# Altium PCB SoDeRa-PCIe_1v0.PcbDoc (part 6 of 8)
Units mm, origin at the board's own origin, x right, y up, seen from the top; angles counter-clockwise.
Board outline 136.85 x 68.9 mm, 12 copper layers (Top, L2, L3, L4, L5, L6, L7, L8, L9, L10, L11, Bottom), stack 1.638 mm thick; 750 components, 495 nets, 3617 pads, 1756 vias.
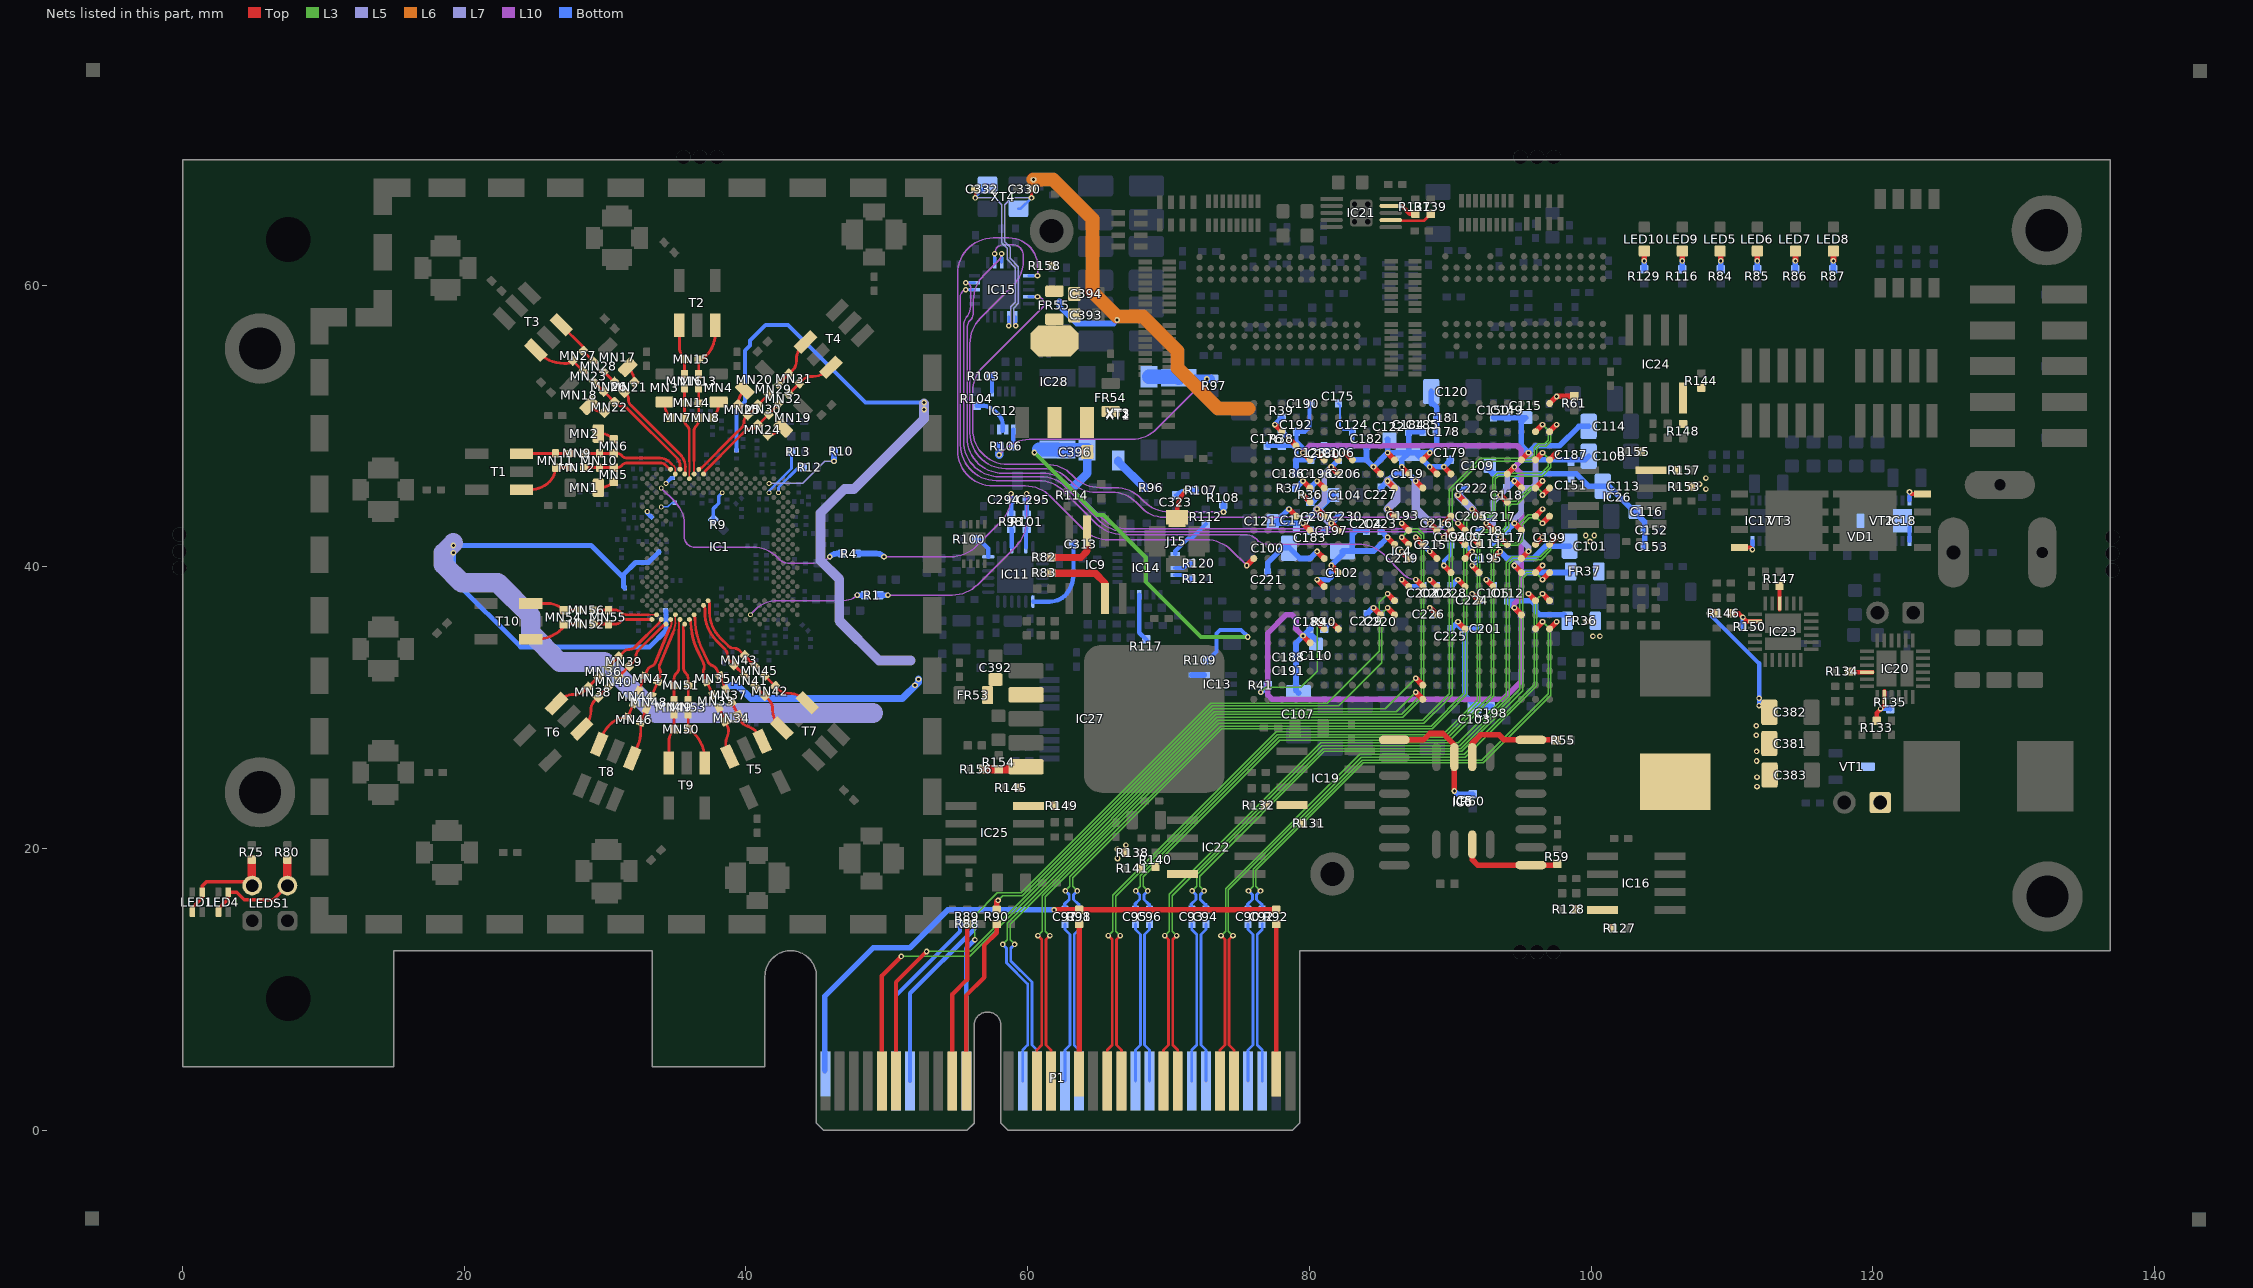
[diagram p16: the nets of this part, all layers, seen from the top]

## Via types
v1: diameter 0.4, hole 0.2, Top to Bottom, tented both sides, 1521 vias
v2: diameter 0.4, hole 0.2, Top to Bottom, tented top, 129 vias
v3: diameter 0.35, hole 0.2, Top to Bottom, tented top, 86 vias
v4: diameter 0.5, hole 0.2, Top to Bottom, tented both sides, 20 vias

## Nets (pads, with @x,y where several pads share a name; then routed paths per layer and width w, separated by ;. In a path a pad name is that pad's centre, name@x,y a point inside that pad or via, vN(x,y) a via of type N, cw(c..) or ccw(c..) an arc to the next point about the centre after c; other vN are vias at no path point) (continued)
NetC392_2: C392.2 FR53.2 IC27.2
NetC393_2: C393.2 FR55.1 IC28.2
NetC394_2: C394.2 FR55.2 R158.2
NetC396_2: C396.2 FR54.2 IC28.3
NetFR43_1: FR43.1 IC13.6 | length 0.9
  Bottom w0.4: FR43.1@71.651,32.325 IC13.6@72.525,32.325
NetIC1_AM24: IC1.AM24 R1.1 | length 8.6
  L10 w0.1: v3(40.313,36.604) 40.662,36.953 cw(c42.25,35.366) 42.25,37.611 46.96,37.611 ccw(c46.96,38.94) v1(47.9,38)
  Bottom w0.4: v1(47.9,38) R1.1@48.475,38
NetIC1_D6: IC1.D6 R26.2 | length 0.6
  Bottom w0.25: v3(34.319,45.928) 34.703,46.311 R26.2@34.799,46.311
NetIC1_D28: IC1.D28 R10.1 | length 6
  L5 w0.1: v3(41.645,45.928) 44.028,45.928 45.6,47.5 v1(46.25,47.5)
  Bottom w0.4: v1(46.25,47.5) R10.1@46.25,48.225
NetIC1_E5: IC1.E5 R4.1 | length 16.2
  L10 w0.1: v3(33.986,45.595) 34.967,44.614 cw(c33.378,43.025) 35.625,43.025 35.625,42.15 ccw(c36.375,42.15) 36.375,41.4 40.473,41.4 cw(c40.473,38.86) 42.269,40.656 42.438,40.487 ccw(c42.95,40.998) 42.95,40.275 44.863,40.275 ccw(c44.863,41.812) v1(45.95,40.725)
  Bottom w0.4: v1(45.95,40.725) cw(c46.493,40.182) 46.493,40.95 R4.1@46.85,40.95
NetIC1_F18: IC1.F18 R9.1 | length 2.2
  Bottom w0.25: R9.1@37.745,43.36 37.694,43.411 37.694,44.144 38.077,44.527 38.077,45.023 v3(38.315,45.262)
NetIC1_F28: IC1.F28 R13.1 | length 3.6
  Bottom w0.2: v3(41.645,45.262) 41.645,45.397 43.225,46.977 R13.1@43.225,48.175
NetIC1_F30: IC1.F30 R12.1 | length 2.7
  Bottom w0.2: v3(42.311,45.262) 42.311,45.639 43.747,47.075 R12.1@44.025,47.075
NetIC1_J5: IC1.J5 R28.1 | length 1.1
  Bottom w0.11: v3(33.986,44.263) 34.453,44.263 34.746,44.556 R28.1@34.969,44.556
NetIC1_K2: IC1.K2 R31.1 | length 0.5
  Bottom w0.3: v3(32.987,43.93) 32.987,43.822 R31.1@33.251,43.558 ; R31.1@33.276,43.533 R31.1@33.251,43.558 ; R31.1@33.276,43.558 R31.1@33.251,43.558
NetIC4_AB1: IC4.AB1 R61.1 | length 2
  Top w0.4: IC4.AB1@97.05,51.6 v1(97.55,52.1) 97.575,52.125 R61.1@98.8,52.125
NetIC4_F16: IC4.F16 R40.1 | length 1.4
  Top w0.4: v1(81.55,36.1) IC4.F16@82.05,35.6
  Bottom w0.3: R40.1@81.05,35.6 v1(81.55,36.1)
NetIC4_F17: IC4.F17 R41.2 | length 9.5
  Top w0.4: v1(80.55,36.1) IC4.F17@81.05,35.6
  L3 w0.1: v1(76.55,31.1) 76.9,31.45 79.395,31.45 80.55,32.605 v1(80.55,36.1)
  Bottom w0.4: v1(76.55,31.1) R41.2@77.05,31.6
NetIC4_T17: IC4.T17 R36.1 | length 1.4
  Top w0.4: v1(80.55,46.1) IC4.T17@81.05,45.6
  Bottom w0.4: R36.1@80.075,45.625 v1(80.55,46.1)
NetIC4_T18: IC4.T18 R37.2 | length 1.4
  Top w0.4: v1(79.55,46.1) IC4.T18@80.05,45.6
  Bottom w0.4: R37.2@79.05,45.6 v1(79.55,46.1)
NetIC4_W19: IC4.W19 R38.1 | length 1.4
  Top w0.4: v1(78.55,49.1) IC4.W19@79.05,48.6
  Bottom w0.4: R38.1@78.05,49.6 v1(78.55,49.1)
NetIC4_Y20: IC4.Y20 R39.2 | length 1.4
  Top w0.4: v1(77.55,50.1) IC4.Y20@78.05,49.6
  Bottom w0.4: v1(77.55,50.1) R39.2@78.05,50.6
NetIC5_2: IC5.2 IC6.8 R55.1 | length 8.1
  Top w0.4: IC5.2@91.56,25.75 IC5.2@91.56,26.5 91.56,27.485 92.15,28.075 93.475,28.075 93.83,27.72 IC6.8@95.725,27.72 97.515,27.72 R55.1@97.535,27.7
NetIC5_3: IC5.3 IC6.9 R60.2 | length 9.5
  Top w0.4: IC6.9@86.025,27.72 88.095,27.72 88.55,28.175 89.475,28.175 90.29,27.36 IC5.3@90.29,26.5 v1(90.29,24.09)
  Bottom w0.4: v1(90.29,24.09) 90.53,23.85 R60.2@91.6,23.85
NetIC5_7: IC5.7 IC6.1 R59.2 | length 8
  Top w0.4: IC5.7@91.56,20.95 91.56,19.215 91.945,18.83 IC6.1@95.725,18.83 97.505,18.83 R59.2@97.6,18.925
NetIC9_3: IC9.3 R83.2 | length 5.2
  Top w0.5: R83.2@61.675,39.575 61.675,39.55 64.8,39.55 65.485,38.865 IC9.3@65.485,37.75
NetIC9_7: IC9.7 R82.2 | length 4.2
  Top w0.5: R82.2@61.675,40.675 63.775,40.675 64.215,41.115 IC9.7@64.215,42.55
NetIC11_3: IC11.3 R98.2 | length 1.3
  Bottom w0.3: R98.2@58.825,42.712 58.875,42.662 IC11.3@58.875,41.387
NetIC11_5: IC11.5 R101.2 | length 1.3
  Bottom w0.3: IC11.5@59.875,41.387 59.875,42.662 R101.2@59.925,42.712
NetIC11_24: IC11.24 R100.2 | length 1.7
  Bottom w0.3: R100.2@56.35,41.95 56.55,41.95 57.2,41.3 IC11.24@57.2,40.712
NetIC12_1: IC12.1 R106.1 | length 1.2
  Bottom w0.309: R106.1@58.975,48.575 IC12.1@58.975,49.75
NetIC12_2: IC12.2 IC12.3 R104.2 | length 3
  Bottom w0.309: R104.2@56.375,51.45 56.75,51.45 cw(c56.75,50.183) 57.646,51.079 57.95,50.775 ; 57.95,50.775 cw(c57.286,50.111) 58.225,50.111 58.225,49.65
NetIC12_5: IC12.5 R103.2 | length 1.1
  Bottom w0.3: R103.2@57.375,53.55 57.475,53.45 IC12.5@57.475,52.45
NetIC14_11: IC14.11 R112.1 | length 3.2
  Bottom w0.3: IC14.11@70.475,40.925 70.475,41.125 71.375,42.025 71.625,42.025 R112.1@72.65,43.05
NetIC14_13: IC14.13 R120.2 | length 1.3
  Bottom w0.3: IC14.13@70.475,39.925 71.05,39.925 71.375,40.25 R120.2@71.65,40.25
NetIC14_14: IC14.14 R121.2 | length 1.3
  Bottom w0.3: IC14.14@70.475,39.425 71.025,39.425 71.3,39.15 R121.2@71.65,39.15
NetIC14_19: IC14.19 R117.1 | length 3.4
  Bottom w0.3: IC14.19@67.925,38.025 67.925,35.325 R117.1@68.45,34.8
NetIC16_4: IC16.4 R127.2 R128.2
NetIC17_3: IC17.3 VT3.4 | length 1.6
  Top w0.3: VT3.4@110.53,41.37 111.305,41.37 v1(111.45,41.225)
  Bottom w0.3: v1(111.45,41.225) IC17.3@111.45,41.84
NetIC18_3: IC18.3 VT2.4 | length 1.6
  Top w0.3: v1(122.6,45.325) 122.745,45.18 VT2.4@123.52,45.18
  Bottom w0.3: IC18.3@122.6,44.71 v1(122.6,45.325)
NetIC18_4: IC18.4 IC18.7 VD1.3 | length 0.9
  Bottom w0.3: IC18.4@122.6,41.84 IC18.7@122.6,42.775
NetIC19_4: IC19.4 R131.2 R132.2
NetIC20_2: IC20.2 R133.2 R135.2 | length 3
  Top w0.309: R133.2@120.274,29.076 120.274,29.626 120.824,30.176 IC20.2@120.824,30.776 IC20.2@120.824,31.176
  Bottom w0.309: v1(120.549,29.926) 121.199,29.926 R135.2@121.224,29.901
NetIC20_22: IC20.22 R134.1 | length 1.6
  Top w0.309: R134.1@118.374,32.526 IC20.22@119.974,32.526
NetIC21_7: IC21.7 R139.2 | length 3.1
  Top w0.2: IC21.7@85.775,64.625 85.775,64.575 88.125,64.575 R139.2@88.625,65.075
NetIC21_9: IC21.9 R137.2 | length 2
  Top w0.3: IC21.9@85.775,65.625 86.575,65.625 87.125,65.075 R137.2@87.525,65.075
NetIC22_4: IC22.4 R140.2 R141.1
NetIC23_2: IC23.2 R146.2 R150.1 | length 3
  Top w0.309: R146.2@109.925,36.7 110.475,36.7 111.025,36.15 IC23.2@111.625,36.15 IC23.2@112.025,36.15
  Bottom w0.309: R150.1@110.75,35.75 110.775,35.775 v1(110.775,36.425)
NetIC23_22: IC23.22 R147.1 | length 1.6
  Top w0.309: IC23.22@113.375,37 R147.1@113.375,38.6
NetIC24_4: IC24.4 R144.2 R148.2
NetIC25_4: IC25.4 R145.2 R149.2
NetIC26_4: IC26.4 R155.2 R157.2
NetIC27_5: IC27.5 R154.2 R156.1 | length 2.9
  Top w0.6: R156.1@56.85,25.625 R154.2@57.95,25.625 IC27.5@59.706,25.625
NetJ14_1: J14.1 VT1.D
NetLED1_1: LED1.1 LED1.4 LEDS1.A1 R75.2 | length 7.7
  Top w0.25: LED1.4@0.7,15.5 0.7,15.8 1.4,16.5 LED1.1@1.4,16.9 1.4,17.35 1.7,17.65 4.675,17.65 LEDS1.A1@4.925,17.4
  Top w0.6: LEDS1.A1@4.925,17.4 R75.2@4.925,19.225
NetLED4_1: LED4.1 LED4.4 LEDS1.A2 R80.2 | length 8.4
  Top w0.25: LED4.4@2.55,15.5 2.55,15.725 3.25,16.425 LED4.1@3.25,16.9 3.85,16.9 4.375,16.375 6.45,16.375 LEDS1.A2@7.45,17.375
  Top w0.6: LEDS1.A2@7.45,17.375 R80.2@7.45,19.225
NetLED5_A: LED5.A R84.2 | length 1.3
  Top w0.4: v1(109.2,61.725) 109.205,61.73 LED5.A@109.205,62.425
  Bottom w0.4: R84.2@109.2,61.125 v1(109.2,61.725)
NetLED6_A: LED6.A R85.2 | length 1.3
  Top w0.4: v1(111.795,61.725) 111.8,61.73 LED6.A@111.8,62.425
  Bottom w0.4: R85.2@111.795,61.125 v1(111.795,61.725)
NetLED7_A: LED7.A R86.2 | length 1.3
  Top w0.4: v1(114.5,61.725) 114.505,61.73 LED7.A@114.505,62.425
  Bottom w0.4: R86.2@114.5,61.125 v1(114.5,61.725)
NetLED8_A: LED8.A R87.2 | length 1.3
  Top w0.4: v1(117.2,61.725) 117.205,61.73 LED8.A@117.205,62.425
  Bottom w0.4: R87.2@117.2,61.125 v1(117.2,61.725)
NetLED9_A: LED9.A R116.1 | length 1.3
  Top w0.4: v1(106.47,61.725) 106.475,61.73 LED9.A@106.475,62.425
  Bottom w0.4: R116.1@106.47,61.125 v1(106.47,61.725)
NetLED10_A: LED10.A R129.1 | length 1.3
  Top w0.4: v1(103.77,61.725) 103.775,61.73 LED10.A@103.775,62.425
  Bottom w0.4: R129.1@103.77,61.125 v1(103.77,61.725)
NetMN1_1: MN1.1 MN5.2 | length 1.2
  Top w0.2: MN1.1@29.52,45.628 29.605,45.628 ccw(c29.605,47.077) MN5.2@30.63,46.052
NetMN2_1: MN2.1 MN6.2 | length 1.2
  Top w0.2: MN2.1@29.519,49.473 29.614,49.473 cw(c29.614,48.037) MN6.2@30.63,49.052
NetMN3_1: MN3.1 MN7.2 | length 1.2
  Top w0.2: MN3.1@34.22,51.701 34.22,51.616 ccw(c35.669,51.616) MN7.2@34.645,50.591
NetMN4_1: MN4.1 MN8.2 | length 1.2
  Top w0.2: MN8.2@37.644,50.591 ccw(c36.629,51.606) 38.065,51.606 MN4.1@38.065,51.701
NetMN17_1: MN17.1 MN21.2 | length 1.2
  Top w0.2: MN17.1@31.595,54.192 31.662,54.125 cw(c30.647,53.109) MN21.2@32.083,53.109
NetMN18_1: MN18.1 MN22.2 | length 1.2
  Top w0.2: MN18.1@28.876,51.473 28.936,51.413 ccw(c29.961,52.438) MN22.2@29.961,50.988
NetMN19_1: MN19.1 MN24.2 | length 1.2
  Top w0.2: MN24.2@41.554,49.376 ccw(c41.554,50.812) 42.569,49.797 MN19.1@42.636,49.864
NetMN20_1: MN20.1 MN25.2 | length 1.2
  Top w0.2: MN25.2@39.433,51.498 cw(c40.882,51.498) 39.857,52.523 MN20.1@39.917,52.582
NetP1_A6: P1.A6 R88.2 | length 13
  Bottom w0.309: P1.A6@50.65,3.5 50.65,9.575 55.2,14.125 R88.2@55.2,14.65
NetP1_A7: P1.A7 R88.1 | length 13
  Bottom w0.309: P1.A7@51.65,3.5 51.65,9.725 56.2,14.275 R88.1@56.2,14.65
NetP1_B10: P1.B10 R89.2 | length 11.6
  Top w0.309: P1.B10@54.65,3.5 54.65,9.65 55.7,10.7 R89.2@55.7,14.65
NetP1_B11: P1.B11 R90.2 | length 12
  Top w0.309: P1.B11@55.65,3.5 55.65,9.6 56.925,10.875 56.925,13.15 57.8,14.025 R90.2@57.8,14.65
NetR96_1: R96.1 XT1.6 | length 2.7
  Bottom w0.6: XT1.6@66.425,47.55 66.425,47.475 R96.1@68.275,45.625
NetR97_2: R97.2 R106.2 XT1.4 XT2.3 XT3.3 | length 21.8
  L10 w0.1: v1(57.975,47.95) 58.331,48.306 cw(c60.127,46.51) 60.127,49.05 67.373,49.05 ccw(c67.373,51.59) 69.169,49.794 v1(72.725,53.35)
  Bottom w0.6: v1(57.975,47.95) R106.2@57.975,48.575 ; XT2.3@70.725,53.35 R97.2@73,53.35
  Bottom w1: XT1.4@68.625,53.5 70.65,53.5 XT2.3@70.725,53.425
PCIE_HSI0_IC_N: C98.1 IC4.V1 | length 59.2
  Top w0.4: IC4.V1@97.05,47.6 v1(97.55,48.1)
  L3 w0.1: v1(63.525,17) 63.2,17.325 63.2,17.926 73.774,28.5 88.733,28.5 91.175,30.942 91.175,43.266 91.417,43.509 92.834,43.509 93.2,43.875 93.2,46.245 93.405,46.45 96.533,46.45 97.15,47.067 97.15,47.7 v1(97.55,48.1)
  Bottom w0.2: v1(63.525,17) 63.25,16.725 63.25,16.4 63.6,16.05 ; C98.1@63.65,15.65 63.65,16.05
PCIE_HSI0_IC_P: C97.1 IC4.V2 | length 59.2
  Top w0.4: IC4.V2@96.05,47.6 v1(96.55,48.1)
  L3 w0.1: v1(62.675,17) 63,17.325 63,18.009 73.691,28.7 88.65,28.7 90.975,31.025 90.975,43.349 91.334,43.709 91.5,43.709 92.751,43.709 93,43.958 93,46.328 93.322,46.65 96.45,46.65 96.95,47.15 96.95,47.7 v1(96.55,48.1)
  Bottom w0.2: 62.6,16.05 62.95,16.4 62.95,16.725 v1(62.675,17) ; C97.1@62.65,15.65 62.65,16.05
PCIE_HSI0_N: C98.2 P1.A17 | length 11.4
  Bottom w0.2: P1.A17@63.65,3.5 63.65,5.7 63.3,6.05 63.3,9.625 63.3,13.9 63.65,14.25 C98.2@63.65,14.65
PCIE_HSI0_P: C97.2 P1.A16 | length 11.4
  Bottom w0.2: P1.A16@62.65,3.5 62.65,5.7 63,6.05 63,9.749 63,13.9 62.65,14.25 C97.2@62.65,14.65
PCIE_HSI1_IC_N: C96.1 IC4.P1 | length 49.2
  Top w0.4: v1(96.55,43.1) IC4.P1@97.05,43.6
  L3 w0.1: v1(68.525,17) 68.2,17.325 68.2,18.001 77.899,27.7 89.958,27.7 92.808,30.55 93.1,30.842 93.1,41.145 93.48,41.525 94.808,41.525 95.125,41.842 95.125,43 95.625,43.5 96.15,43.5 v1(96.55,43.1)
  Bottom w0.2: v1(68.525,17) 68.25,16.725 68.25,16.4 68.6,16.05 ; C96.1@68.65,15.65 68.65,16.05
PCIE_HSI1_IC_P: C95.1 IC4.P2 | length 49.6
  Top w0.4: IC4.P2@96.05,43.6 v1(96.55,44.1)
  L3 w0.1: v1(67.675,17) 68,17.325 68,18.084 77.816,27.9 89.875,27.9 92.9,30.925 92.9,41.228 93.397,41.725 94.725,41.725 94.925,41.925 94.925,43.083 95.542,43.7 96.15,43.7 v1(96.55,44.1)
  Bottom w0.2: 67.6,16.05 67.95,16.4 67.95,16.725 v1(67.675,17) ; C95.1@67.65,15.65 67.65,16.05
PCIE_HSI1_N: C96.2 P1.A22 | length 11.4
  Bottom w0.2: P1.A22@68.65,3.5 68.65,5.7 68.3,6.05 68.3,7.85 68.3,13.9 68.65,14.25 C96.2@68.65,14.65
PCIE_HSI1_P: C95.2 P1.A21 | length 11.4
  Bottom w0.2: P1.A21@67.65,3.5 67.65,5.7 68,6.05 68,7.974 68,13.9 67.65,14.25 C95.2@67.65,14.65
PCIE_HSI2_IC_N: C94.1 IC4.K1 | length 41.6
  Top w0.4: v1(96.55,39.1) IC4.K1@97.05,39.6
  L3 w0.1: v1(72.525,17) 72.2,17.325 72.2,18.051 81.049,26.9 90.833,26.9 95.15,31.217 95.15,39.195 95.455,39.5 96.15,39.5 v1(96.55,39.1)
  Bottom w0.2: v1(72.525,17) 72.25,16.725 72.25,16.4 72.6,16.05 ; C94.1@72.65,15.65 72.65,16.05
PCIE_HSI2_IC_P: C93.1 IC4.K2 | length 42
  Top w0.4: IC4.K2@96.05,39.6 v1(96.55,40.1)
  L3 w0.1: v1(71.675,17) 72,17.325 72,18.134 80.966,27.1 90.75,27.1 94.95,31.3 94.95,39.278 95.372,39.7 96.15,39.7 ; 96.233,39.7 96.15,39.7 ; v1(96.55,40.1) 96.15,39.7
  Bottom w0.2: 71.6,16.05 71.95,16.4 71.95,16.725 v1(71.675,17) ; C93.1@71.65,15.65 71.65,16.05
PCIE_HSI2_N: C94.2 P1.A26 | length 11.4
  Bottom w0.2: P1.A26@72.65,3.5 72.65,5.7 72.3,6.05 72.3,7.525 72.3,13.9 72.65,14.25 C94.2@72.65,14.65
PCIE_HSI2_P: C93.2 P1.A25 | length 11.4
  Bottom w0.2: P1.A25@71.65,3.5 71.65,5.7 72,6.05 72,7.649 72,13.9 71.65,14.25 C93.2@71.65,14.65
PCIE_HSI3_IC_N: C92.1 IC4.F1 | length 35.4
  Top w0.4: IC4.F1@97.05,35.6 v1(97.55,36.1)
  L3 w0.1: v1(76.525,17) 76.2,17.325 76.2,18.451 83.833,26.084 92.334,26.084 97.15,30.9 97.15,35.7 v1(97.55,36.1)
  Bottom w0.2: v1(76.525,17) 76.25,16.725 76.25,16.4 76.6,16.05 ; C92.1@76.65,15.65 76.65,16.05
PCIE_HSI3_IC_P: C90.1 IC4.F2 | length 35.4
  Top w0.4: IC4.F2@96.05,35.6 v1(96.55,36.1)
  L3 w0.1: v1(75.675,17) 76,17.325 76,18.534 83.75,26.284 92.251,26.284 96.95,30.983 96.95,35.7 v1(96.55,36.1)
  Bottom w0.2: 75.6,16.05 75.95,16.4 75.95,16.725 v1(75.675,17) ; C90.1@75.65,15.65 75.65,16.05
PCIE_HSI3_N: C92.2 P1.A30 | length 11.4
  Bottom w0.2: P1.A30@76.65,3.5 76.65,5.7 76.3,6.05 76.3,8.1 76.3,13.9 76.65,14.25 C92.2@76.65,14.65
PCIE_HSI3_P: C90.2 P1.A29 | length 11.4
  Bottom w0.2: P1.A29@75.65,3.5 75.65,5.7 76,6.05 76,8.224 76,13.9 75.65,14.25 C90.2@75.65,14.65
PCIE_HSO0_N: IC4.Y1 P1.B15 | length 73.6
  Top w0.2: v1(61.575,13.825) 61.3,13.55 61.3,6.05 61.65,5.7 P1.B15@61.65,3.5
  Top w0.4: IC4.Y1@97.05,49.6 v1(97.55,50.1)
  L3 w0.1: v1(61.575,13.825) 61.25,14.15 61.25,16.57 73.58,28.9 88.125,28.9 89.775,30.55 89.778,30.55 90.1,30.872 90.1,30.875 90.125,30.9 90.125,45.425 92.2,47.5 95.808,47.5 96.15,47.842 96.15,48.383 96.317,48.55 96.778,48.55 97.15,48.922 97.15,49.7 v1(97.55,50.1)
PCIE_HSO0_P: IC4.Y2 P1.B14 | length 73.6
  Top w0.2: P1.B14@60.65,3.5 60.65,5.7 61,6.05 61,13.55 v1(60.725,13.825)
  Top w0.4: IC4.Y2@96.05,49.6 v1(96.55,50.1)
  L3 w0.1: v1(60.725,13.825) 61.05,14.15 61.05,16.653 73.497,29.1 88.042,29.1 89.692,30.75 89.695,30.75 89.9,30.955 89.9,30.958 89.925,30.983 89.925,45.508 92.117,47.7 95.725,47.7 95.95,47.925 95.95,48.466 96.234,48.75 96.4,48.75 96.695,48.75 96.95,49.005 96.95,49.7 v1(96.55,50.1)
PCIE_HSO1_N: IC4.T1 P1.B20 | length 64.5
  Top w0.2: v1(66.575,13.825) 66.3,13.55 66.3,8.625 66.3,6.05 66.65,5.7 P1.B20@66.65,3.5
  Top w0.4: v1(96.55,45.1) IC4.T1@97.05,45.6
  L3 w0.1: v1(66.575,13.825) 66.25,14.15 66.25,16.617 77.733,28.1 89.758,28.1 92.1,30.442 92.1,42.145 92.4,42.445 92.4,42.45 93.825,42.45 94.15,42.775 94.15,44.275 94.325,44.45 94.75,44.45 95.8,45.5 96.275,45.5 96.55,45.225 v1(96.55,45.1)
PCIE_HSO1_P: IC4.T2 P1.B19 | length 64.8
  Top w0.2: P1.B19@65.65,3.5 65.65,5.7 66,6.05 66,8.749 66,13.55 v1(65.725,13.825)
  Top w0.4: IC4.T2@96.05,45.6 v1(96.55,46.1)
  L3 w0.1: v1(65.725,13.825) 66.05,14.15 66.05,16.7 77.65,28.3 89.675,28.3 91.9,30.525 91.9,42.233 92.317,42.65 93.742,42.65 93.95,42.858 93.95,44.358 94.242,44.65 94.667,44.65 95.717,45.7 96.275,45.7 96.55,45.975 v1(96.55,46.1)
PCIE_HSO2_N: IC4.M1 P1.B24 | length 57.9
  Top w0.2: v1(70.575,13.825) 70.3,13.55 70.3,9.7 70.3,6.05 70.65,5.7 P1.B24@70.65,3.5
  Top w0.4: IC4.M1@97.05,41.6 v1(97.55,42.1)
  L3 w0.1: v1(70.575,13.825) 70.25,14.15 70.25,16.667 80.883,27.3 90.667,27.3 94.175,30.808 94.175,40.22 94.48,40.525 96.458,40.525 97.15,41.217 97.15,41.7 v1(97.55,42.1)
PCIE_HSO2_P: IC4.M2 P1.B23 | length 57.9
  Top w0.2: P1.B23@69.65,3.5 69.65,5.7 70,6.05 70,9.824 70,13.55 v1(69.725,13.825)
  Top w0.4: IC4.M2@96.05,41.6 v1(96.55,42.1)
  L3 w0.1: v1(69.725,13.825) 70.05,14.15 70.05,16.75 80.8,27.5 90.584,27.5 93.975,30.891 93.975,40.303 94.397,40.725 96.375,40.725 96.95,41.3 96.95,41.7 v1(96.55,42.1)
PCIE_HSO3_N: IC4.H1 P1.B28 | length 49.3
  Top w0.2: v1(74.575,13.825) 74.3,13.55 74.3,9.6 74.3,6.05 74.65,5.7 P1.B28@74.65,3.5
  Top w0.4: v1(96.55,38.1) IC4.H1@97.05,37.6
  L3 w0.1: v1(74.575,13.825) 74.25,14.15 74.25,17.067 83.667,26.484 91.067,26.484 93.658,29.075 96.15,31.567 96.15,37.7 v1(96.55,38.1)
PCIE_HSO3_P: IC4.H2 P1.B27 | length 49.3
  Top w0.2: P1.B27@73.65,3.5 73.65,5.7 74,6.05 74,9.724 74,13.55 v1(73.725,13.825)
  Top w0.4: v1(95.55,38.1) IC4.H2@96.05,37.6
  L3 w0.1: v1(73.725,13.825) 74.05,14.15 74.05,17.15 83.584,26.684 90.984,26.684 95.95,31.65 95.95,37.7 v1(95.55,38.1)
PCIE_PERSTN: IC4.H12 P1.A11 | length 53.5
  Top w0.4: v1(85.55,38.1) IC4.H12@86.05,37.6
  L3 w0.1: v1@56.25,13.566 56.25,15.25 57.85,16.85 59.534,16.85 72.892,30.208 73.009,30.325 81.27,30.325 84.95,34.005 84.95,37.5 v1(85.55,38.1)
  Bottom w0.309: P1.A11@55.65,3.5 55.65,12.925 v1(56.25,13.525)
PCIE_PRSNT1N: P1.A1 R91.1 R92.1 | length 39.8
  Top w0.4: v1(61.875,15.65) R91.1@63.65,15.65 R92.1@77.65,15.65
  Bottom w0.4: P1.A1@45.6,4.25 45.6,9.525 49.025,12.95 51.625,12.95 54.325,15.65 v1@61.825,15.65
PCIE_PRSNT2N_X1: P1.B17 R91.2 | length 10.7
  Top w0.4: P1.B17@63.65,4 R91.2@63.65,14.65
PCIE_PRSNT2N_X4: P1.B31 R92.2 | length 10.7
  Top w0.309: P1.B31@77.65,4 R92.2@77.65,14.65
PCIE_REFCLK_N: IC4.N11 P1.A14 | length 62.3
  Top w0.4: v1(86.55,43.1) IC4.N11@87.05,42.6
  L3 w0.1: v1(59.075,13.2) 58.75,13.525 58.75,14.636 73.439,29.325 86.625,29.325 88.125,30.825 88.125,42.303 87.728,42.7 86.95,42.7 v1(86.55,43.1)
  Bottom w0.2: v1(59.075,13.2) 58.8,12.925 58.8,12.024 60.3,10.524 60.3,6.05 60.65,5.7 P1.A14@60.65,3.5
PCIE_REFCLK_P: IC4.M11 P1.A13 | length 62
  Top w0.4: v1(86.55,42.1) IC4.M11@87.05,41.6
  L3 w0.1: v1(58.225,13.2) 58.55,13.525 58.55,14.718 73.357,29.525 86.542,29.525 87.925,30.908 87.925,42.22 87.645,42.5 86.95,42.5 v1(86.55,42.1)
  Bottom w0.2: v1(58.225,13.2) 58.5,12.925 58.5,11.9 60,10.4 60,6.05 59.65,5.7 P1.A13@59.65,3.5
PCIE_SMCLK: IC4.A10 P1.B5 | length 54.5
  Top w0.309: P1.B5@49.65,3.5 49.65,10.975 v1(51.025,12.35)
  Top w0.4: v1(87.55,31.1) IC4.A10@88.05,30.6
  L3 w0.1: v1@50.975,12.35 55.883,12.35 73.258,29.725 86.175,29.725 v1(87.55,31.1)
PCIE_SMDAT: IC4.B10 P1.B6 | length 53.6
  Top w0.309: P1.B6@50.65,3.5 50.65,10.525 v1(52.825,12.7)
  Top w0.4: v1(87.55,32.1) IC4.B10@88.05,31.6
  L3 w0.1: v1(52.825,12.7) 55.95,12.7 73.175,29.925 85.375,29.925 v1(87.55,32.1)
PCIE_WAKEN: IC4.G12 R90.1 | length 39.7
  Top w0.4: R90.1@57.8,15.65 57.8,16.225 v1(57.9,16.325) ; v1(85.55,37.1) IC4.G12@86.05,36.6
  L3 w0.1: v1(57.9,16.325) 58.225,16.65 59.617,16.65 73.092,30.125 82.07,30.125 85.15,33.205 85.15,36.7 v1(85.55,37.1)
REF_ADF: C313.2 IC11.13 | length 6.2
  Bottom w0.309: IC11.13@60.375,37.537 61.548,37.537 ccw(c61.548,39.202) 62.597,37.91 ccw(c61.02,39.486) 63.009,38.477 ccw(c61.02,39.486) 63.25,39.486 C313.2@63.25,41.625
REF_CLK: C323.1 J15.1 R107.2 | length 3.7
  Top w0.309: J15.1@70.6,43.425 J15.1@70.6,43.525 70.6,43.893 cw(c72.767,43.893) v1(71.235,45.425)